# Altium PCB roach2.PcbDoc (part 32 of 39) (continued)
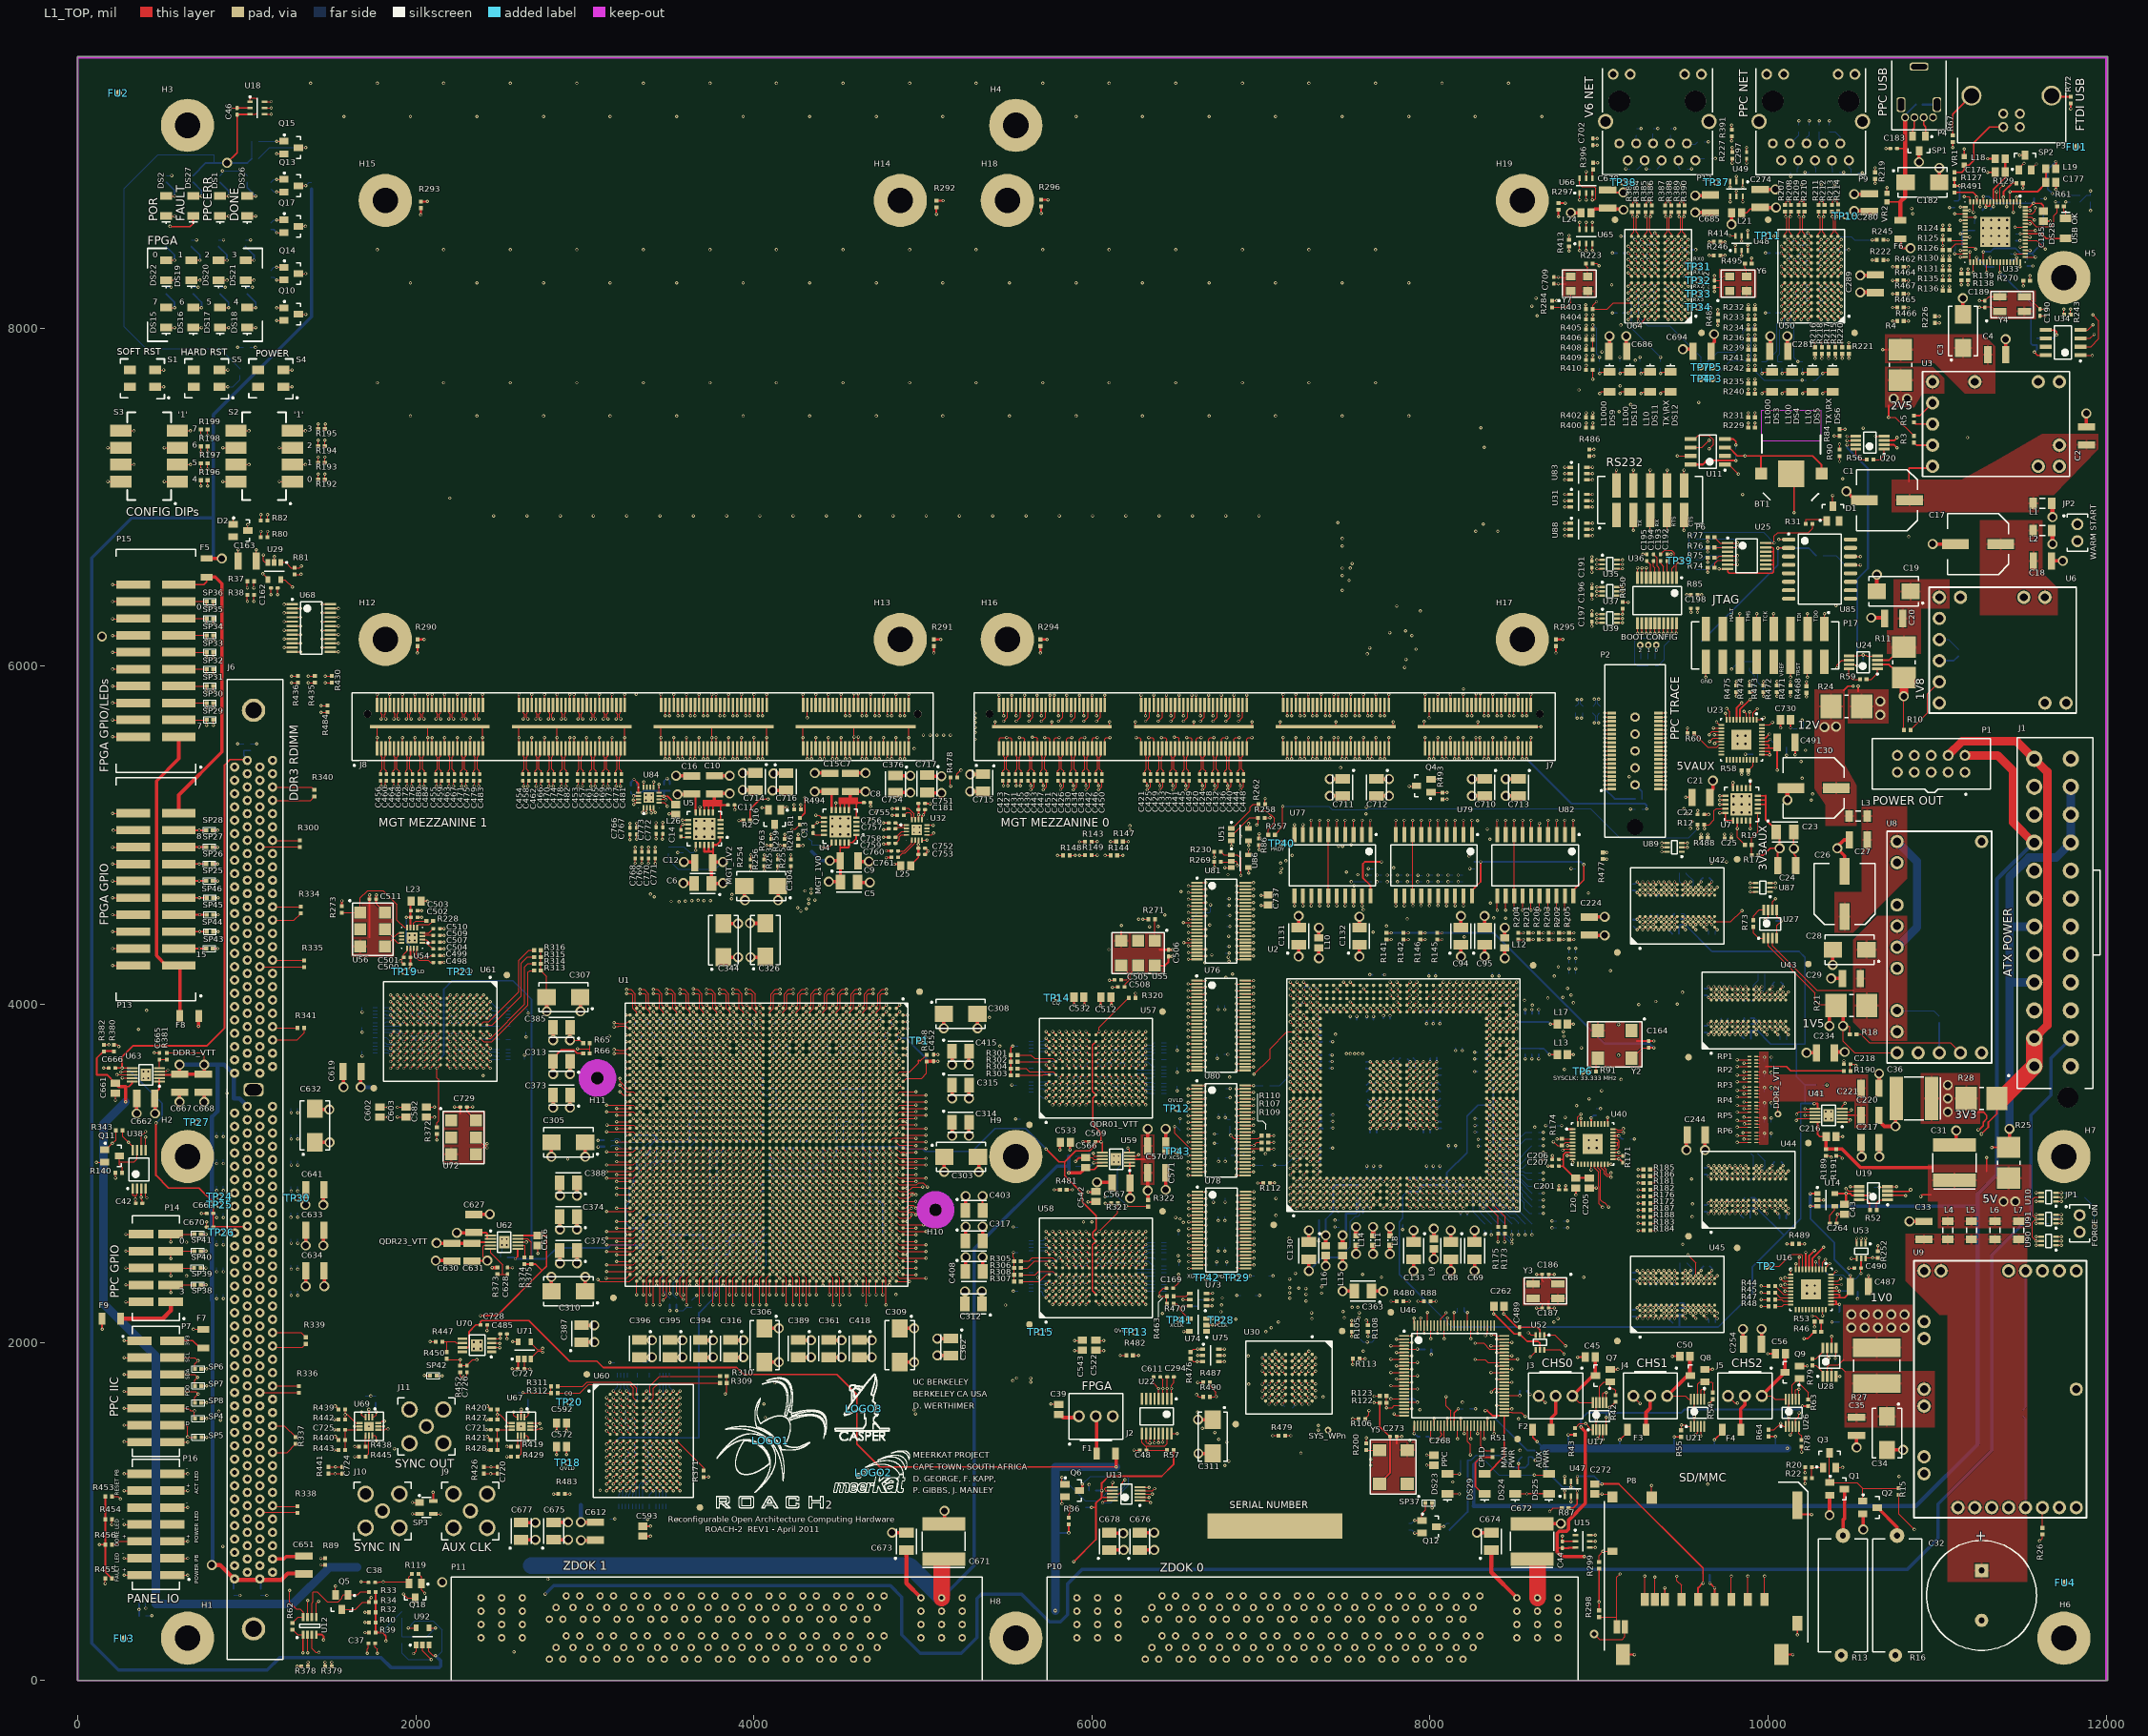
[diagram p0: L1_TOP view]
## Nets (pads, with @x,y where several pads share a name; then routed paths per layer and width w, separated by ;. In a path a pad name is that pad's centre, name@x,y a point inside that pad or via, vN(x,y) a via of type N, cw(c..) or ccw(c..) an arc to the next point about the centre after c; other vN are vias at no path point) (continued)
  L12_S w3.8: v2(3670.99,4614.99) 3656.43,4600.43 3656.43,4098.77 3657.33,4097.87 3657.33,3792.75 3656.43,3791.85 3656.43,3624.6 v1(3680.2,3600.83)
SM_MODE1: R254.1 U1.AM11 | length 1549.5
  L1_TOP w5: v1(3640.83,3600.83) 3660.2,3581.46 U1.AM11@3660.52,3581.14 ; v2(3981.99,4791.65) R254.1@3981.99,4818.31
  L5_S w3.8: v2(3632.99,4612.99) 3632.99,4686.99 3737.65,4791.65 v2(3981.99,4791.65)
  L12_S w3.8: v2(3632.99,4612.99) 3617.96,4597.96 3617.96,3792.75 3617.06,3791.85 3617.06,3624.6 v1(3640.83,3600.83)
SM_MODE2: R253.1 U1.AL10 | length 1559.8
  L1_TOP w5: v1(3680.2,3640.2) U1.AL10@3699.57,3620.83 ; v2(4141.99,4791.65) R253.1@4141.99,4818.31
  L5_S w3.8: v2(3704.99,4612.99) 3704.99,4622.99 3760.99,4678.99 4029.34,4678.99 v2(4141.99,4791.65)
  L12_S w3.8: 3664.6,3788.99 3664.6,3673.11 3680.2,3657.51 v1(3680.2,3640.2) ; 3664.6,4102.16 3664.6,4566.6 v2@3704.99,4606.99 ; 3665.13,3789.52 3665.13,4101.63
SM_PROGN: R144.2 R258.1 U51.2 | length 1261.1
  L1_TOP w5: v2@6077.99,4880.99 R144.2@6110.31,4880.99 ; U51.2@6824.8,5003.94 6833.94,5003.94 6932.99,5102.99 R258.1@6983.31,5102.99 6983.31,5069.31 v2(6974.99,5060.99)
  L14_S w3.8: v2(6077.59,4880.59) 6109.99,4912.99 6846.99,4912.99 6974.99,5040.99 v2(6974.99,5060.99)
SM_RDWRN: R143.2 U1.J10 | length 3022.3
  L1_TOP w5: U1.J10@4566.03,3620.51 4567.25,3621.73 v1(4585.72,3640.2) ; v2@5926.99,4961.99 R143.2@5959.31,4961.99
  L12_S w3.8: v2(4302.99,4670.99) 4332.99,4640.99 4359.05,4640.99 4464.99,4535.05 4464.99,4514.99 4488.99,4490.99 4488.99,3666.99 4496.99,3658.99 4566.92,3658.99 v1(4585.72,3640.2)
  L14_S w3.8: v2(4302.99,4670.99) 4302.99,4694.99 4396.99,4788.99 4674.99,4788.99 4695.56,4809.56 4695.67,4809.56 4698.89,4812.79 4830.99,4812.79 4831.59,4813.39 4837.45,4813.39 4847.05,4822.99 5787.99,4822.99 v2(5926.59,4961.59)
SYS_CLK_N: U1.AP12 U72.4 | length 1500.4
  L1_TOP w5: U72.4@2356.81,3112.99 2402.31,3158.49 2414.79,3158.49 v2(2421.99,3151.29) ; v1(3562.09,3561.46) 3581.46,3542.09 U1.AP12@3581.78,3541.77
  L3_S w3.8: v2(2421.99,3151.29) v2@2421.99,3159.09
  L8_R w3.8: v2(2421.99,3151.29) 2707.89,3437.19 3234.6,3437.19 3256.36,3458.95 3453.3,3458.95 3467.38,3473.02 3467.38,3567.55 3476.89,3577.06 3550.93,3577.06 v1@3562.99,3564.99
SYS_CLK_P: U1.AP11 U72.5 | length 1486.8
  L1_TOP w5: U72.5@2356.81,3212.99 2402.31,3167.49 2414.79,3167.49 v2(2421.99,3174.69) ; v1(3562.09,3600.83) 3581.46,3581.46 U1.AP11@3581.78,3581.14
  L8_R w3.8: v2(2421.99,3174.69) 2692.29,3444.99 3231.37,3444.99 3253.13,3466.75 3450.07,3466.75 3459.58,3476.25 3459.58,3570.78 3473.66,3584.86 3546.12,3584.86 v1(3562.09,3600.83)
SYS_PORN: DS2.1 R20.2 R81.1 R231.1 R402.1 U2.A6 U2.AD31 U29.1 U30.B5 U46.99 | length 27022.3
  L1_TOP w5: DS2.1@522.99,8663.94 v2(573.13,8663.94) ; U29.1@1200.39,6614.17 1229.81,6614.17 1261.31,6582.68 R81.1@1282.99,6582.68 1312.68,6582.68 v2(1322.99,6592.99) ; v1(7173.7,2990.55) U2.A6@7193.39,3010.24 ; U30.B5@7263.78,1771.65 v1(7283.47,1751.97) ; v2(7926.46,2021.07) U46.99@7926.46,2099.25 ; U2.AD31@8098.9,3994.49 v1(8118.58,4014.17) ; R402.1@8962.68,7472.99 v2(8962.68,7498.99) v2@8962.68,7500.99 ; R231.1@9922.68,7472.99 v2(9922.68,7499.57) ; v2(10219.31,1229.18) R20.2@10219.31,1261.18
  L3_S w5: v7(7440.94,3822.83) 7842.52,3822.83 7944.88,3925.2 8070.87,3925.2 8098.43,3952.76 8098.43,3994.02 v1(8118.58,4014.17)
  L5_S w5: v1(7173.7,2990.55) 7207.09,2990.55 7244.09,3027.56 7287.4,3027.56 7301.24,3013.72 7371.99,3013.72 7472.44,3114.17 7472.44,3629.92 7440.94,3661.42 v7(7440.94,3822.83)
  L8_R w3.8: v2(573.13,8663.94) 628.99,8719.8 628.99,8984.99 662.99,9018.99 872.99,9018.99 1086.99,9232.99 1086.99,9344.99 1122.99,9380.99 1562.99,9380.99 1652.99,9290.99 1652.99,7322.99 2424.99,6550.99 6952.99,6550.99 7190.99,6788.99 7452.99,6788.99 ; v1(7283.47,1751.97) 7302.99,1732.44 7302.99,1520.99 7314.99,1508.99 v2(7338.99,1508.99) ; v2(7454.99,6848.99) 7452.99,6846.99 7452.99,6788.99 ; v2(7926.46,2021.07) 7940.99,2006.54 v2(7940.99,1600.99) ; v2(8962.68,7498.99) 8938.68,7522.99 8492.99,7522.99 7758.99,6788.99 7452.99,6788.99
  L8_R w5: v2(8522.99,1546.99) 8542.99,1546.99 8560.99,1528.99 8612.99,1528.99 8954.99,1186.99 10006.99,1186.99 10049.18,1229.18 v2(10219.31,1229.18)
  L9_R w3.8: v2(7338.99,1508.99) 7844.99,1508.99 v2@7936.99,1600.99 ; v2(7940.99,1600.99) 7974.44,1567.54 8031.34,1567.54 8062.54,1536.34 8346.3,1536.34 8356.95,1546.99 v2(8522.99,1546.99) ; v2(8962.68,7498.99) 8978.45,7483.22 9906.32,7483.22 v2(9922.68,7499.57)
  L14_S w3.8: v2(573.13,8663.94) 531.39,8622.2 531.39,8582.59 618.99,8494.99 618.99,8192.93 940.13,7871.79 942.19,7871.79 1366.99,7446.99 1366.99,6636.99 v2(1322.99,6592.99) ; v2(7454.99,6848.99) 7402.99,6848.99 7346.99,6792.99 7346.99,6578.99 7456.99,6468.99 7870.99,6468.99 7972.99,6366.99 7972.99,6268.99 7945.39,6241.39 7945.39,5481.53 8030.19,5396.73 8030.19,4787.91 ; v2(7926.46,2021.07) 7956.54,1990.99 8075.92,1990.99 8163.31,2078.38 8163.31,2188.99 8142.99,2209.31 8142.99,2392.89 8158.42,2408.32 8158.42,2771.17 8135.97,2793.62 8135.97,3996.78 v1(8118.58,4014.17) 8142.35,4037.94 8142.35,4533.63 8116.99,4558.99 8116.99,4677.06 8053.45,4740.59 8048.7,4740.59 8031.39,4757.9 8031.39,4786.71
SYS_TCK: R49.1 R462.2 R474.1 U77.2 U77.4 U77.6 U77.8 U77.11 U77.13 U77.15 U77.17 U79.2 U79.4 U79.6 | length 8181.8
  L1_TOP w5: v2(7197.99,4583.31) U77.11@7197.99,4641.89 ; v2(7297.99,4583.31) U77.13@7297.99,4641.89 ; U77.8@7297.99,5004.09 v2(7297.99,5088.42) ; v2(7397.99,4583.31) U77.15@7397.99,4641.89 U77.6@7397.99,5004.09 v2(7397.99,5088.42) ; v2(7497.99,4583.31) U77.17@7497.99,4641.89 ; U77.4@7497.99,5004.09 v2(7497.99,5088.42) ; U77.2@7597.99,5004.09 v2(7597.99,5088.42) ; U79.6@7997.99,5004.09 v2(7997.99,5088.42) ; U79.4@8097.99,5004.09 v2(8097.99,5088.42) ; U79.2@8197.99,5004.09 v2(8197.99,5088.42) ; R474.1@9894.99,5846.99 v3(9918.99,5846.99) v3@9920.99,5846.99 ; v2(10736.72,8362.99) R462.2@10763.31,8362.99
  L3_S w3.8: v2(8197.99,5865.99) 8218.99,5886.99 8618.99,5886.99 8728.99,5776.99 9038.99,5776.99 9084.99,5822.99 9772.99,5822.99 9796.99,5846.99 v3(9918.99,5846.99)
  L5_S w3.8: v2(7297.99,5088.42) 7313.59,5072.82 7358.82,5072.82 7374.42,5088.42 v2(7397.99,5088.42) 7413.59,5072.82 7458.82,5072.82 7474.42,5088.42 v2(7497.99,5088.42) 7513.59,5072.82 7558.82,5072.82 7574.42,5088.42 v2(7597.99,5088.42) 7625.93,5088.42 7641.53,5072.82 7954.45,5072.82 7970.05,5088.42 v2(7997.99,5088.42) 8025.93,5088.42 8041.53,5072.82 8054.45,5072.82 8070.05,5088.42 v2(8097.99,5088.42) 8125.93,5088.42 8141.53,5072.82 8154.45,5072.82 8170.05,5088.42 v2(8197.99,5088.42) 8197.99,5557.93 8211.88,5571.82 8211.88,5593.88 8205.68,5600.08 8205.68,5820.62 8211.88,5826.82 8211.88,5848.88 8197.99,5862.77 v2(8197.99,5865.99)
  L9_R w3.8: v2(7197.99,4583.31) 7225.93,4583.31 7241.53,4567.71 7254.45,4567.71 7270.05,4583.31 v2(7297.99,4583.31) 7325.93,4583.31 7341.53,4598.91 7354.45,4598.91 7370.05,4583.31 v2(7397.99,4583.31) 7425.93,4583.31 7441.53,4598.91 7454.45,4598.91 7470.05,4583.31 v2(7497.99,4583.31) ; v3(9918.99,5846.99) 9918.99,5970.99 10006.99,6058.99 10006.99,6248.99 10312.99,6554.99 10312.99,7350.99 10490.99,7528.99 10490.99,7726.16 10583.11,7818.28 10584.28,7818.28 10668.99,7902.99 10668.99,8038.99 10737.39,8107.39 10743.19,8107.39 10752.32,8116.53 10752.32,8122.32 10752.99,8122.99 10752.99,8346.72 v2(10736.72,8362.99)
  L16_BOT w5: R49.1@9890,5990.31 9890,5973 9918.99,5944.01 v3(9918.99,5846.99)
SYS_TDI: R464.2 R472.1 R477.1 | length 4736.5
  L1_TOP w5: R477.1@9022.99,4898.68 v3(9046.52,4898.68) ; v3@10052.99,5820.77 v3(10052.99,5822.77) R472.1@10052.99,5846.77 ; v2(10736.72,8282.99) R464.2@10763.31,8282.99
  L9_R w3.8: v3(10052.99,5822.77) 10052.99,5888.08 10068.59,5903.68 10068.59,6118.59 10510.99,6560.99 10536.99,6560.99 10596.99,6620.99 10596.99,7528.99 10774.99,7706.99 10774.99,8364.99 10754.99,8384.99 10728.99,8384.99 10709.26,8365.26 10709.26,8310.46 v2(10736.72,8282.99)
  L12_S w3.8: v3(9046.52,4898.68) 9148,5000.16 9148,5084 9176.99,5112.99 9310.99,5112.99 9462.99,5264.99 9462.99,5558.99 9522.82,5618.82 9538.91,5618.82 9685.08,5765 10025,5765 10052.99,5792.99 v3(10052.99,5822.77)
SYS_TDO: R467.1 R471.1 R489.2 U53.4 | length 7175
  L1_TOP w5: v3@10132.28,5820.77 v3(10132.28,5822.77) R471.1@10132.28,5846.77 ; R489.2@10182.68,2582.99 v2(10214.99,2582.99) ; v2(10492.98,2496.69) U53.4@10524.41,2496.69 ; v2(10736.73,8202.99) R467.1@10763.31,8202.99
  L3_S w3.8: v3(10132.28,5822.77) 10177,5778.05 10177,5396.98 10264.19,5309.79 10322.26,5309.79 10429.79,5202.26 10429.79,5033.62 10309.93,4913.77 10309.08,4913.77 10292.77,4897.46 10292.77,3837.28 10376.41,3753.64 10376.41,3627.1 10302.59,3553.28 10302.59,3120.19 10296.99,3114.59 10296.99,2734.99 10214.99,2652.99 v2(10214.99,2582.99)
  L5_S w3.94: v2(10214.99,2582.99) 10284.01,2582.99 10370.31,2496.69 v2(10492.98,2496.69)
  L9_R w3.8: v3(10132.28,5822.77) 10092.99,5862.06 10092.99,6094.99 10630.99,6632.99 10630.99,7342.98 10619.05,7354.92 10619.05,7523.05 10792.99,7696.99 10792.99,8396.99 10780.99,8408.99 10738.99,8408.99 10696.99,8366.99 10696.99,8242.73 v2(10736.73,8202.99)
SYS_TDO_INT: U52.1 U53.1 | length 2419.2
  L1_TOP w5: U52.1@8675.59,2043.15 8738.85,2043.15 v7(8802,1980) ; U53.1@10575.59,2583.31 v2(10575.59,2614.74)
  L5_S w5: v7(8802,1980) 10280,1980 10445,2145 10445,2221 10575.59,2351.59 v2(10575.59,2614.74)
SYS_TMS: R465.2 R475.1 U79.8 U79.11 U79.13 U79.15 U79.17 U82.2 U82.4 U82.6 U82.8 U82.11 U82.13 | length 7053.7
  L1_TOP w5: v3(7797.99,4583.31) U79.11@7797.99,4641.89 ; U79.13@7897.99,4641.89 U79.8@7897.99,5004.09 v2(7897.99,5088.42) ; v3(7898.99,4584.41) U79.13@7898.99,4641.89 ; v3(7996.99,4584.41) U79.15@7996.99,4641.89 ; v3(8097.99,4583.31) U79.17@8097.99,4641.89 ; v2(8397.99,4557.56) U82.11@8397.99,4641.89 ; v2(8497.99,4557.56) U82.13@8497.99,4641.89 U82.8@8497.99,5004.09 v2(8497.99,5088.42) ; U82.6@8597.99,5004.09 v2(8597.99,5088.42) ; U82.4@8697.99,5004.09 v2(8697.99,5088.42) ; U82.2@8797.99,5004.09 v2(8797.99,5088.42) ; v3@9812.28,5820.77 v3(9812.28,5822.77) R475.1@9812.28,5846.77 ; v2(10736.72,8122.99) R465.2@10763.31,8122.99
  L3_S w3.8: v2(8797.99,5088.42) 8797.99,5399.99 9018.72,5620.72 9018.72,5730.45 9089.25,5800.99 9790.51,5800.99 v3(9812.28,5822.77)
  L5_S w3.8: v3(8097.99,4583.31) 8125.93,4583.31 8141.53,4567.71 8154.45,4567.71 8185.65,4598.91 8204.45,4598.91 8220.05,4583.31 8372.24,4583.31 v2(8397.99,4557.56)
  L9_R w3.8: v3(7797.99,4583.31) 7813.59,4598.91 7854.45,4598.91 7868.95,4584.41 v3(7898.99,4584.41) 7924.93,4584.41 7940.53,4600.01 7981.39,4600.01 v3(7996.99,4584.41) 8012.59,4568.81 8053.45,4568.81 8067.95,4583.31 v3(8097.99,4583.31) ; v2(8397.99,4557.56) 8425.93,4557.56 8441.53,4541.96 8454.45,4541.96 8470.05,4557.56 v2(8497.99,4557.56) ; v2(8497.99,5088.42) 8515.42,5070.99 8558.99,5070.99 8576.42,5088.42 v2(8597.99,5088.42) v2(8697.99,5088.42) 8725.93,5088.42 8741.53,5104.02 8754.45,5104.02 8770.05,5088.42 v2(8797.99,5088.42) ; v3(9812.28,5822.77) 9840.99,5851.48 9840.99,6014.99 9958.99,6132.99 9958.99,6400.99 10292.99,6734.99 10292.99,7418.99 10384.99,7510.99 10384.99,7742.99 10434.99,7792.99 10506.99,7792.99 10574.99,7860.99 10574.99,8044.99 10652.99,8122.99 v2(10736.72,8122.99)
SYS_TRSTN: R50.1 R466.2 R473.2 U46.81 | length 8395
  L1_TOP w5: v3(8280.79,2054.04) U46.81@8280.79,2099.25 ; v3(9972.28,5822.77) R473.2@9972.28,5846.77 ; v2(10736.72,8042.99) R466.2@10763.31,8042.99
  L8_R w5: v3(8280.79,2054.04) 8280.79,2032.79 8251,2003 8251,1988.28 8260.49,1978.79 8261.19,1978.79 8296.99,1942.99 8372.99,1942.99 8386.99,1956.99 8433,1956.99 8448.99,1940.99 8710.99,1940.99 9022.99,2252.99 9022.99,2778.08 9037.19,2792.28 9037.19,2844.79 8984.56,2897.42 8977.19,2897.42 8938.99,2935.62 8938.99,3011.76 8936.79,3013.96 8936.79,3119.23 8958.86,3141.3 8958.86,3298.21 8936.79,3320.28 8936.79,3382.79 9042.99,3488.99 9042.99,4367.04 9069.02,4393.07 9069.02,4813.9 9030.32,4852.6 9030.32,5056.32 9166.99,5192.99 9276.99,5192.99 9338.99,5254.99 9338.99,5810.99 9368.99,5840.99 9708.99,5840.99 9742.99,5874.99 9920.99,5874.99 9966.99,5828.99 v3@9966.99,5822.77
  L9_R w5: v3(9972.28,5822.77) 10022.99,5873.48 10022.99,6230.99 10528.99,6736.99 10528.99,7502.99 10736.72,7710.72 v2(10736.72,8042.99)
  L16_BOT w5: R50.1@9940,5990.31 9940,5905 9972,5873 9972,5823.05 v3(9972.28,5822.77)
SYS_WPN: pad.0@7397,1480.99 Q11.1 R343.1 U30.B4 U46.32 | length 13458.1
  L1_TOP w5: Q11.1@159.68,3140.39 168.39,3140.39 v2(204.99,3176.99) 226.32,3198.32 R343.1@226.32,3254 ; U30.B4@7263.78,1811.02 v1(7283.47,1830.71) ; U46.32@8024.88,1506.73 v3(8024.88,1551.94)
  L5_S w3.94: v2(204.99,3176.99) 204.99,3004.99 175,2975 175,612 261,526 681,526 1000,207 1294,207 1367,280 1367,337 1400,370 2006,370 2207,169 v7(2581,169) ; v3(8024.88,1551.94) 8135,1441.83 v7(8135,1174)
  L8_R w3.8: v1(7283.47,1830.71) 7262.99,1810.24 7262.99,1516.99 7298.99,1480.99 v2(7338.99,1480.99)
  L8_R w3.94: v7(2581,169) 2672,169 2813,310 4747,310 4993,556 5152,556 5160,548 8005,548 8189,732 8189,972 8206,989 8206,1146 8178,1174 v7(8135,1174)
  L9_R w3.8: v2(7338.99,1480.99) 7854.99,1480.99 7925.94,1551.94 v3(8024.88,1551.94)
THERM_ALERTN: R75.1 R87.1 U2.U34 U15.5 U18.5 U22.12 | length 20005.3
  L1_TOP w5: U18.5@1106.3,9302.99 1144.39,9302.99 v2(1144.99,9303.59) ; v2(6370.06,1405.5) 6370.49,1405.94 U22.12@6370.49,1460.63 ; v1(7803.62,4132.28) U2.U34@7823.31,4112.6 ; v7(8708.66,1000) 8728.66,1020 R87.1@8780.32,1020 ; U15.5@8946.3,822.99 v2(8977.73,822.99) ; R75.1@9643.31,6642.99 v2(9643.31,6616.13) v2@9644.31,6615.13
  L3_S w5: v2(6370.06,1405.5) 6371.59,1405.5 6391.74,1425.65 6425.25,1425.65 6445.39,1405.5 6643.5,1405.5 6681.19,1443.19 6757.7,1443.19 6769.1,1431.79 7189.11,1431.79 7192.51,1435.19 7599.88,1435.19 7616.28,1418.79 7776.39,1418.79 7816.79,1459.19 7833.19,1459.19 8019.98,1645.98 v2(8192.01,1645.98)
  L8_R w3.8: v2(1144.99,9303.59) 1170.99,9277.59 1170.99,9184.99 1090.99,9104.99 1090.99,8550.99 1228.99,8412.99 1228.99,8253.59 1581.59,7900.99 1581.59,7293.42 2492.02,6382.99 7576.99,6382.99 v2(7760.99,6198.99)
  L12_S w3.8: v2(7760.99,6198.99) 7956.99,6394.99 8740.99,6394.99 8848.59,6502.59 8963.45,6502.59 8967.05,6498.99 9526.17,6498.99 v2(9643.31,6616.13)
  L14_S w3.8: v2(7760.99,6198.99) 7818.99,6140.99 7818.99,5433.79 7903.79,5348.99 7903.79,5104.69 7913.59,5094.89 7913.59,5081.96 7903.79,5072.16 7903.79,4739.73 7831.19,4667.13 7831.19,4610.91 7820.99,4600.71 7820.99,4149.65 v1(7803.62,4132.28) 7786.31,4132.28 7770.71,4147.88 7757.79,4147.88 7732.99,4123.09 7732.99,4005.03 7708.81,3980.85 7708.81,3926.59 7717.95,3917.45 7722.99,3917.45 7739.19,3901.25 7739.19,3897.76 7829.96,3806.99 7910.99,3806.99 7984.99,3732.99 7984.99,3666.42 7984.87,3666.31 7984.87,3060.81 7995.91,3049.77 7995.91,2968.68 7979.76,2952.53 7979.76,2298.22 8018.99,2258.99 8018.99,2160.64 8009.28,2150.93 8009.28,2132.7 8024.99,2116.99 8024.99,2092.99 8006.99,2074.99 7958.31,2074.99 7910.86,2027.54 7910.86,2007.13 7952.99,1964.99 8166.99,1964.99 8190.99,1940.99 8190.99,1646.99 v2(8192.01,1645.98) 8302.99,1534.99 8302.99,1084.99 8328.99,1058.99 8660.03,1058.99 8660.03,1000 ; v7(8708.66,1000) 8660.03,1000 ; v2(8977.73,822.99) 8962.13,807.39 8720.59,807.39 8660.03,867.96 8660.03,1000
TRC_CLK: P2.6 U2.AG32 | length 2129.6
  L1_TOP w5: U2.AG32@8217.01,4033.86 v1(8236.69,4053.54) ; P2.6@9351.97,5323.99 v2(9391.67,5323.99)
  L3_S w3.8: v2(8356.99,4598.99) 8556.99,4798.99 8816.93,4798.99 8828.53,4787.39 9013.39,4787.39 9130.99,4904.99 9130.99,5063.32 v2(9391.67,5323.99)
  L12_S w3.8: v1(8236.69,4053.54) 8255.62,4072.47 8255.62,4351.62 8392.59,4488.59 8392.59,4525.39 8356.99,4560.99 v2(8356.99,4598.99)
TRC_HALT: P2.7 P17.11 R96.1 R270.2 U2.E32 | length 8141.5
  L1_TOP w5: v1(7331.18,4053.54) U2.E32@7350.87,4033.86 ; v2(9034.32,5348.99) P2.7@9074.02,5348.99 ; P17.11@9832.99,6220.43 v2(9832.99,6311.03) ; v3@11510.31,8252.51 R270.2@11510.31,8280
  L5_S w3.8: v2(9186.31,5155.68) 9178.99,5162.99 v2(9178.99,5346.99) 9178.99,5740.99 9204.99,5766.99 9304.99,5766.99 9832.99,6294.99 v2(9832.99,6311.03) 9862.21,6311.03 10098.43,6547.24 10551.18,6547.24 10610.24,6606.3 10610.24,7043.31 10728.89,7161.96 10728.89,7499.45 10649.61,7578.74 10649.61,7909.45 10700.79,7960.63 11255.91,7960.63 11510.31,8215.04 v3(11510.31,8250.51)
  L8_R w3.8: v2(7470.99,5398.99) 8984.32,5398.99 v2(9034.32,5348.99) 9176.99,5348.99 v2(9178.99,5346.99)
  L12_S w3.8: v1(7331.18,4053.54) 7424.99,4147.36 7424.99,5112.99 7448.99,5136.99 7448.99,5376.99 v2(7470.99,5398.99)
  L16_BOT w5: v2@9186.62,5155.99 R96.1@9214.31,5155.99
TRC_TCK: P2.15 | length 39.7
  L1_TOP w5: v2(9034.32,5448.99) P2.15@9074.02,5448.99
TRC_TDI: P2.19 | length 39.7
  L1_TOP w5: v2(9034.32,5498.99) P2.19@9074.02,5498.99
TRC_TDO: P2.11 | length 39.7
  L1_TOP w5: v2(9034.32,5398.99) P2.11@9074.02,5398.99
TRC_TMS: P2.17 | length 39.7
  L1_TOP w5: v2(9034.32,5473.99) P2.17@9074.02,5473.99
TRC_TRSTN: P2.21 | length 39.7
  L1_TOP w5: v2(9034.32,5523.99) P2.21@9074.02,5523.99
TRCBS0: P2.25 U2.AE34 | length 2093
  L1_TOP w5: U2.AE34@8138.27,4112.6 v1(8157.95,4132.28) ; v2(9034.32,5573.99) P2.25@9074.02,5573.99
  L3_S w3.8: v1(8157.95,4132.28) 8147.56,4142.67 8147.56,4366.14 8200.42,4418.99 8200.42,4490.32 8218.42,4508.32 8218.42,4605.52 8515.9,4902.99 8822.99,4902.99 8894.99,4974.99 8894.99,5112.61 9062.19,5279.81 9062.19,5408.5 9056.99,5413.7 9056.99,5566.99 9049.99,5573.99 v2(9034.32,5573.99)
TRCBS1: P2.27 U2.AE32 | length 2215.3
  L1_TOP w5: U2.AE32@8138.27,4033.86 v1(8157.95,4053.54) ; v2(9034.32,5598.99) P2.27@9074.02,5598.99
  L3_S w3.8: v2(8202.99,4398.99) 8214.22,4410.22 8214.22,4493.09 8226.22,4505.09 8226.22,4593.8 8521.61,4889.19 8828.71,4889.19 8908.79,4969.28 8908.79,5106.89 9075.99,5274.09 9075.99,5414.21 9066.99,5423.21 9066.99,5586.99 9054.99,5598.99 v2(9034.32,5598.99)
  L12_S w3.8: v1(8157.95,4053.54) 8178.99,4074.58 8178.99,4194.99 8206.04,4222.04 8206.04,4255.94 8218.42,4268.32 8218.42,4297.67 8202.99,4313.09 v2(8202.99,4398.99)
TRCBS2: P2.29 U2.AE33 | length 2199
  L1_TOP w5: U2.AE33@8138.27,4073.23 v1(8157.95,4092.91) ; v2(9034.32,5623.99) P2.29@9074.02,5623.99
  L3_S w3.8: v1(8157.95,4092.91) 8173.92,4108.88 8173.92,4207.99 8228.02,4262.08 8228.02,4495.86 8234.02,4501.86 8234.02,4582.08 8527.33,4875.39 8834.42,4875.39 8922.59,4963.56 8922.59,5101.17 9089.79,5268.37 9089.79,5419.93 9076.99,5432.73 9076.99,5600.99 9053.99,5623.99 v2(9034.32,5623.99)
TRCES0: P2.31 U2.AE31 | length 2313.6
  L1_TOP w5: U2.AE31@8138.27,3994.49 v1(8157.95,4014.17) ; v2(9034.32,5648.99) P2.31@9074.02,5648.99
  L3_S w3.8: v1(8157.95,4014.17) 8181.72,4037.94 8181.72,4204.75 8241.82,4264.85 8241.82,4570.37 8533.04,4861.59 8840.14,4861.59 8936.39,4957.84 8936.39,5095.46 9103.59,5262.66 9103.59,5425.64 9084.79,5444.44 9084.79,5617.19 9052.99,5648.99 v2(9034.32,5648.99)
TRCES1: P2.33 U2.AF34 | length 2218.8
  L1_TOP w5: U2.AF34@8177.64,4112.6 v1(8197.32,4132.28) ; v2(9034.32,5673.99) P2.33@9074.02,5673.99
  L3_S w3.8: v1(8197.32,4132.28) 8197.32,4209.32 8255.62,4267.62 8255.62,4504.53 8249.62,4510.53 8249.62,4558.65 8538.76,4847.79 8845.86,4847.79 8950.19,4952.13 8950.19,5089.74 9117.39,5256.94 9117.39,5431.36 9092.59,5456.16 9092.59,5631.39 9049.99,5673.99 v2(9034.32,5673.99)
TRCES2: P2.35 U2.AF33 | length 2301.3
  L1_TOP w5: U2.AF33@8177.64,4073.23 v1(8197.32,4092.91) ; v2(9034.32,5698.99) P2.35@9074.02,5698.99
  L3_S w3.8: v1(8197.32,4092.91) 8212.99,4108.58 8212.99,4182.99 8213.29,4183.29 8213.29,4196.32 8242.99,4226.02 8242.99,4240.99 8269.42,4267.42 8269.42,4501.76 8257.42,4513.76 8257.42,4546.94 8544.48,4833.99 8851.57,4833.99 8963.99,4946.41 8963.99,5084.03 9131.19,5251.23 9131.19,5437.08 9102.99,5465.28 9102.99,5648.99 9052.99,5698.99 v2(9034.32,5698.99)
TRCES3: P2.37 U2.AF32 | length 2385.3
  L1_TOP w5: U2.AF32@8177.64,4033.86 v1(8197.32,4053.54) ; v2(9034.32,5723.99) P2.37@9074.02,5723.99
  L3_S w3.8: v1(8197.32,4053.54) 8221.09,4077.31 8221.09,4193.09 8283.22,4255.22 8283.22,4507.48 8273.7,4516.99 8265.22,4516.99 8265.22,4535.22 8550.19,4820.19 8857.29,4820.19 8977.79,4940.7 8977.79,5078.31 9144.99,5245.51 9144.99,5442.79 9110.79,5476.99 9110.79,5663.19 9049.99,5723.99 v2(9034.32,5723.99)
TRCES4: P2.24 U2.AF31 | length 2424.3
  L1_TOP w5: U2.AF31@8177.64,3994.49 v1(8197.32,4014.17) ; P2.24@9351.97,5548.99 v2(9391.67,5548.99)
  L3_S w3.8: v1(8197.32,4014.17) 8221.09,4037.94 8221.09,4060.01 8230.23,4069.14 8234.99,4069.14 8252.29,4086.45 8252.29,4172.87 8326.99,4247.56 8337.67,4247.56 8358.42,4268.32 8358.42,4567.23 8566.18,4774.99 9032.99,4774.99 9304.39,5046.39 9304.39,5160.39 9424.99,5280.99 9424.99,5544.99 9420.99,5548.99 v2(9391.67,5548.99)
TRCTS0: P2.26 U2.AG34 | length 2312.9
  L1_TOP w5: U2.AG34@8217.01,4112.6 v1(8236.69,4132.28) ; P2.26@9351.97,5573.99 v2(9391.67,5573.99)
  L3_S w3.8: v2(8376.99,4510.99) 8376.99,4569.12 8571.07,4763.19 9033.19,4763.19 9316.19,5046.19 9316.19,5155.5 9436.79,5276.1 9436.79,5558.19 9420.99,5573.99 v2(9391.67,5573.99)
  L12_S w3.8: v1(8236.69,4132.28) 8236.69,4370.69 v2(8376.99,4510.99)
TRCTS1: P2.28 U2.AG31 | length 2466.6
  L1_TOP w5: U2.AG31@8217.01,3994.49 v1(8236.69,4014.17) ; P2.28@9351.97,5598.99 v2(9391.67,5598.99)
  L3_S w3.8: v1(8236.69,4014.17) 8236.69,4014.54 8260.09,4037.94 8260.09,4154.09 8378.99,4272.99 8378.99,4486.99 8413.59,4521.59 8413.59,4589.03 8575.95,4751.39 9039.39,4751.39 9327.99,5039.99 9327.99,5150.62 9448.59,5271.22 9448.59,5571.39 9420.99,5598.99 v2(9391.67,5598.99)
TRCTS2: P2.30 U2.AH33 | length 2408.2
  L1_TOP w5: U2.AH33@8256.38,4073.23 v1(8276.06,4092.91) ; P2.30@9351.97,5623.99 v2(9391.67,5623.99)
  L3_S w3.8: v1(8276.06,4092.91) 8291.66,4108.51 8291.66,4167.66 8398.99,4274.99 8398.99,4486.99 8426.99,4514.99 8426.99,4585.74 8580.84,4739.59 9047.59,4739.59 9339.79,5031.79 9339.79,5145.73 9460.39,5266.33 9460.39,5584.59 9420.99,5623.99 v2(9391.67,5623.99)
TRCTS3: P2.32 U2.AH34 | length 2404.4
  L1_TOP w5: U2.AH34@8256.38,4112.6 v1(8276.06,4132.28) ; P2.32@9351.97,5648.99 v2(9391.67,5648.99)
  L3_S w3.8: v2(8446.99,4508.99) 8466.99,4528.99 8466.99,4609.06 8585.73,4727.79 9053.79,4727.79 9351.59,5025.59 9351.59,5140.84 9472.19,5261.44 9472.19,5597.79 9420.99,5648.99 v2(9391.67,5648.99)
  L12_S w3.8: v1(8276.06,4132.28) 8276.06,4338.06 v2(8446.99,4508.99)
TRCTS4: P2.34 U2.AH32 | length 2559.8
  L1_TOP w5: U2.AH32@8256.38,4033.86 v1(8276.06,4053.54) ; P2.34@9351.97,5673.99 v2(9391.67,5673.99)
  L3_S w3.8: v1(8276.06,4053.54) 8299.83,4077.31 8299.83,4149.83 8387.56,4237.56 8457.67,4237.56 8480.99,4260.89 8480.99,4606.37 8590.62,4715.99 9059.99,4715.99 9363.39,5019.39 9363.39,5135.95 9483.99,5256.55 9483.99,5610.99 9420.99,5673.99 v2(9391.67,5673.99)
TRCTS5: P2.36 U2.AJ34 | length 2507.8
  L1_TOP w5: U2.AJ34@8295.75,4112.6 v1(8315.43,4132.28) ; P2.36@9351.97,5698.99 v2(9391.67,5698.99)
  L3_S w3.8: v1(8315.43,4132.28) 8315.43,4154.4 8384.02,4222.99 8466.99,4222.99 8502.99,4258.99 8502.99,4526.99 8518.99,4542.99 8518.99,4627.68 8595.5,4704.19 9066.19,4704.19 9375.19,5013.19 9375.19,5131.07 9495.79,5251.67 9495.79,5624.19 9420.99,5698.99 v2(9391.67,5698.99)
TRCTS6: P2.38 U2.AH31 | length 2699.5
  L1_TOP w5: U2.AH31@8256.38,3994.49 v1(8276.06,4014.17) ; P2.38@9351.97,5723.99 v2(9391.67,5723.99)
  L3_S w3.8: v1(8276.06,4014.17) 8295.75,4033.86 8317.81,4033.86 8331.03,4047.08 8331.03,4158.97 8376.63,4204.57 8470.57,4204.57 8528.99,4262.99 8528.99,4620.99 8600.39,4692.39 9076.39,4692.39 9386.99,5002.99 9386.99,5126.18 9507.59,5246.78 9507.59,5637.39 9420.99,5723.99 v2(9391.67,5723.99)
UART0_CTSN: R135.2 U35.3 | length 3598.1
  L1_TOP w5: v2(8986.99,6577.4) U35.3@9019.68,6577.4 ; R135.2@11033.31,8282.99 v2(11033.31,8309.57)
  L9_R w3.8: v2(11033.31,8309.57) 11034.41,8309.57 11054.99,8288.99 11054.99,8128.99 11088.99,8094.99 11088.99,7442.99 v2(11178.99,7352.99)
  L12_S w3.8: v2(8986.99,6577.4) 9124.58,6714.99 9722.99,6714.99 9970.99,6962.99 10212.52,6962.99 10396.52,7146.99 10440.99,7146.99 ; 10448.99,7146.99 10440.99,7146.99 ; v2(11178.99,7352.99) 11062.99,7236.99 10796.99,7236.99 10706.99,7146.99 10440.99,7146.99
UART0_CTSN-BC0: U2.A29 U35.4 | length 5060.7
  L1_TOP w5: v1(7173.7,3935.43) U2.A29@7193.39,3915.75 ; U35.4@9106.3,6577.4 v2(9138.99,6577.4)
  L9_R w3.8: v2(7480.99,6755.59) 8922.39,6755.59 9100.58,6577.4 v2(9138.99,6577.4)
  L12_S w3.8: v1(7173.7,3935.43) 7152.79,3956.34 7152.79,4768.08 7159.79,4775.08 7159.79,4839.73 7162.59,4842.53 7162.59,4855.45 7159.79,4858.25 7159.79,5228.19 6976.39,5411.59 6976.39,6228.8 7118.79,6371.2 7118.79,6648.38 7225.99,6755.59 v2(7480.99,6755.59)
UART0_RTSN: R136.2 U88.4 | length 4564.4
  L1_TOP w5: U88.4@8929.21,6772.6 v2(8961.9,6772.6) ; R136.2@11033.31,8222.99 v2(11033.31,8249.57)
  L5_S w3.8: v2(8632.99,8072.99) 8668.99,8108.99 8668.99,8222.99 8580.99,8310.99 8580.99,8354.99 8804.59,8578.59 9337.17,8578.59 9353.63,8562.13 9886.86,8562.13 9903.31,8578.59 10242.68,8578.59 10244.28,8576.99 10688.99,8576.99 10807.56,8458.42 10807.56,8458.32 10828.32,8437.56 10828.42,8437.56 11016.41,8249.57 v2(11033.31,8249.57)
  L14_S w3.8: v2(8632.99,8072.99) 8632.99,7501.01 8826,7308 8826,6839.89 8893.29,6772.6 v2(8961.9,6772.6)
UART0_RX: R130.2 U83.4 | length 4238.8
  L1_TOP w5: U83.4@8929.21,7102.6 v2(8961.9,7102.6) ; R130.2@11033.31,8402.99 v2(11033.31,8429.57)
  L5_S w3.8: v2(8602.99,8130.99) 8533.4,8200.59 8533.4,8373.4 8570.99,8410.99 8570.99,8432.99 8754.99,8616.99 8872.84,8616.99 8879.13,8610.7 8966.86,8610.7 8973.15,8616.99 9674.99,8616.99 9712.89,8579.09 9797.67,8579.09 9839.57,8620.99 10841.89,8620.99 v2(11033.31,8429.57)
  L14_S w3.8: v2(8602.99,8130.99) 8786,7947.98 8786,7472 8876,7382 8876,7188.5 v2(8961.9,7102.6)
UART0_TX: R131.2 U31.4 | length 4376.3
  L1_TOP w5: U31.4@8929.21,6942.6 v2(8961.9,6942.6) ; R131.2@11033.31,8342.99 v2(11033.31,8369.57)
  L5_S w3.8: v2(8626.99,8178.99) 8558.99,8246.99 8558.99,8364.99 8574.99,8380.99 8574.99,8390.99 8774.99,8590.99 9656.99,8590.99 9678.05,8569.93 9845.93,8569.93 9878.99,8602.99 10799.89,8602.99 v2(11033.31,8369.57)
  L14_S w3.8: v2(8626.99,8178.99) 8826.65,7979.34 8826.65,7474.35 9004,7297 9004,6984.69 v2(8961.9,6942.6)
UART1_CTSN: U36.10 U39.3 | length 565.1
  L1_TOP w5: v2(8986.99,6257.4) U39.3@9019.68,6257.4 ; U36.10@9227.83,6523.83 v2(9227.83,6582.53)
  L14_S w3.8: v2(8986.99,6257.4) 9056.99,6327.4 9056.99,6494.99 9102.99,6540.99 9186.3,6540.99 v2(9227.83,6582.53)
UART1_CTSN-BC2: U2.C28 U39.4 | length 5237
  L1_TOP w5: v1(7252.44,3896.06) U2.C28@7272.13,3876.38 ; U39.4@9106.3,6257.4 v2(9138.99,6257.4)
  L9_R w3.8: v2(7480.99,6580.39) 7432.39,6580.39 7408.99,6556.99 7408.99,6432.99 7434.99,6406.99 8662.99,6406.99 8860.99,6208.99 9104.99,6208.99 9138.99,6242.99 v2(9138.99,6257.4)
  L12_S w3.8: v1(7252.44,3896.06) 7236.84,3911.66 7236.84,4196.84 7270.99,4230.99 7270.99,4324.99 7236.99,4358.99 7236.99,4444.99 7272,4480 7272,4537 7222.99,4586.01 7222.99,5254.37 7039.59,5437.77 7039.59,6202.63 7163.48,6326.51 7163.48,6445.3 7298.56,6580.39 v2(7480.99,6580.39)
UART1_RTSN: U36.12 U37.3 | length 593.2
  L1_TOP w5: v2(8986.99,6417.4) U37.3@9019.68,6417.4 ; v2(9253.43,6195.46) U36.12@9253.43,6254.15
  L14_S w3.8: v2(8986.99,6417.4) 8972.59,6403 8972.59,6320.53 8970.99,6318.93 8970.99,6284.99 8971.39,6284.59 8971.39,6250.94 9055.34,6166.99 9224.96,6166.99 v2(9253.43,6195.46)
UART1_RTSN-BC1: U2.C29 U37.4 | length 4775.7
  L1_TOP w5: v1(7252.44,3935.43) U2.C29@7272.13,3915.75 ; U37.4@9106.3,6417.4 v3(9138.99,6417.4)
  L9_R w3.8: v2(7480.99,6536.59) 8965.39,6536.59 9084.58,6417.4 v3(9138.99,6417.4)
  L12_S w3.8: v1(7252.44,3935.43) 7252.44,3992.11 7268.04,4007.71 7268.04,4206.04 7282.99,4220.99 7282.99,4334.99 7254.99,4362.99 7254.99,4446.99 7281,4473 7281,4554.98 7263.59,4572.39 7263.59,4752.99 7262.99,4752.99 7238.79,4777.19 7238.79,5049.81 7232.39,5056.21 7232.39,5069.14 7238.79,5075.54 7238.79,5260.91 7055.39,5444.31 7055.39,6196.08 7174.65,6315.34 7174.65,6394.53 7316.71,6536.59 v2(7480.99,6536.59)
UART1_RX: U2.B28 U36.15 | length 5496.4
  L1_TOP w5: v1(7213.07,3896.06) U2.B28@7232.76,3876.38 ; v2(9330.2,6195.46) U36.15@9330.2,6254.15
  L9_R w3.8: v2(7480.99,6711.79) 8750.19,6711.79 8884.99,6576.99 8959.09,6576.99 8972.59,6563.49 8972.59,6561.39 9008.99,6524.99 9138.99,6524.99 v2(9136.99,6522.99)
  L12_S w3.8: v1(7213.07,3896.06) 7189.3,3919.83 7189.3,4162.68 7168.99,4182.99 7168.99,4761.94 7175.59,4768.54 7175.59,4868.33 7169.39,4874.53 7169.39,4887.45 7175.59,4893.65 7175.59,5040.67 7171,5045.26 7171,5080.09 7175.59,5084.68 7175.59,5234.74 6992.19,5418.14 6992.19,6222.26 7129.96,6360.03 7129.96,6597.61 7244.14,6711.79 v2(7480.99,6711.79)
  L14_S w3.8: v2(9136.99,6522.99) 9330.2,6329.79 v2(9330.2,6195.46)